# KiCad board q2v2.kicad_pcb
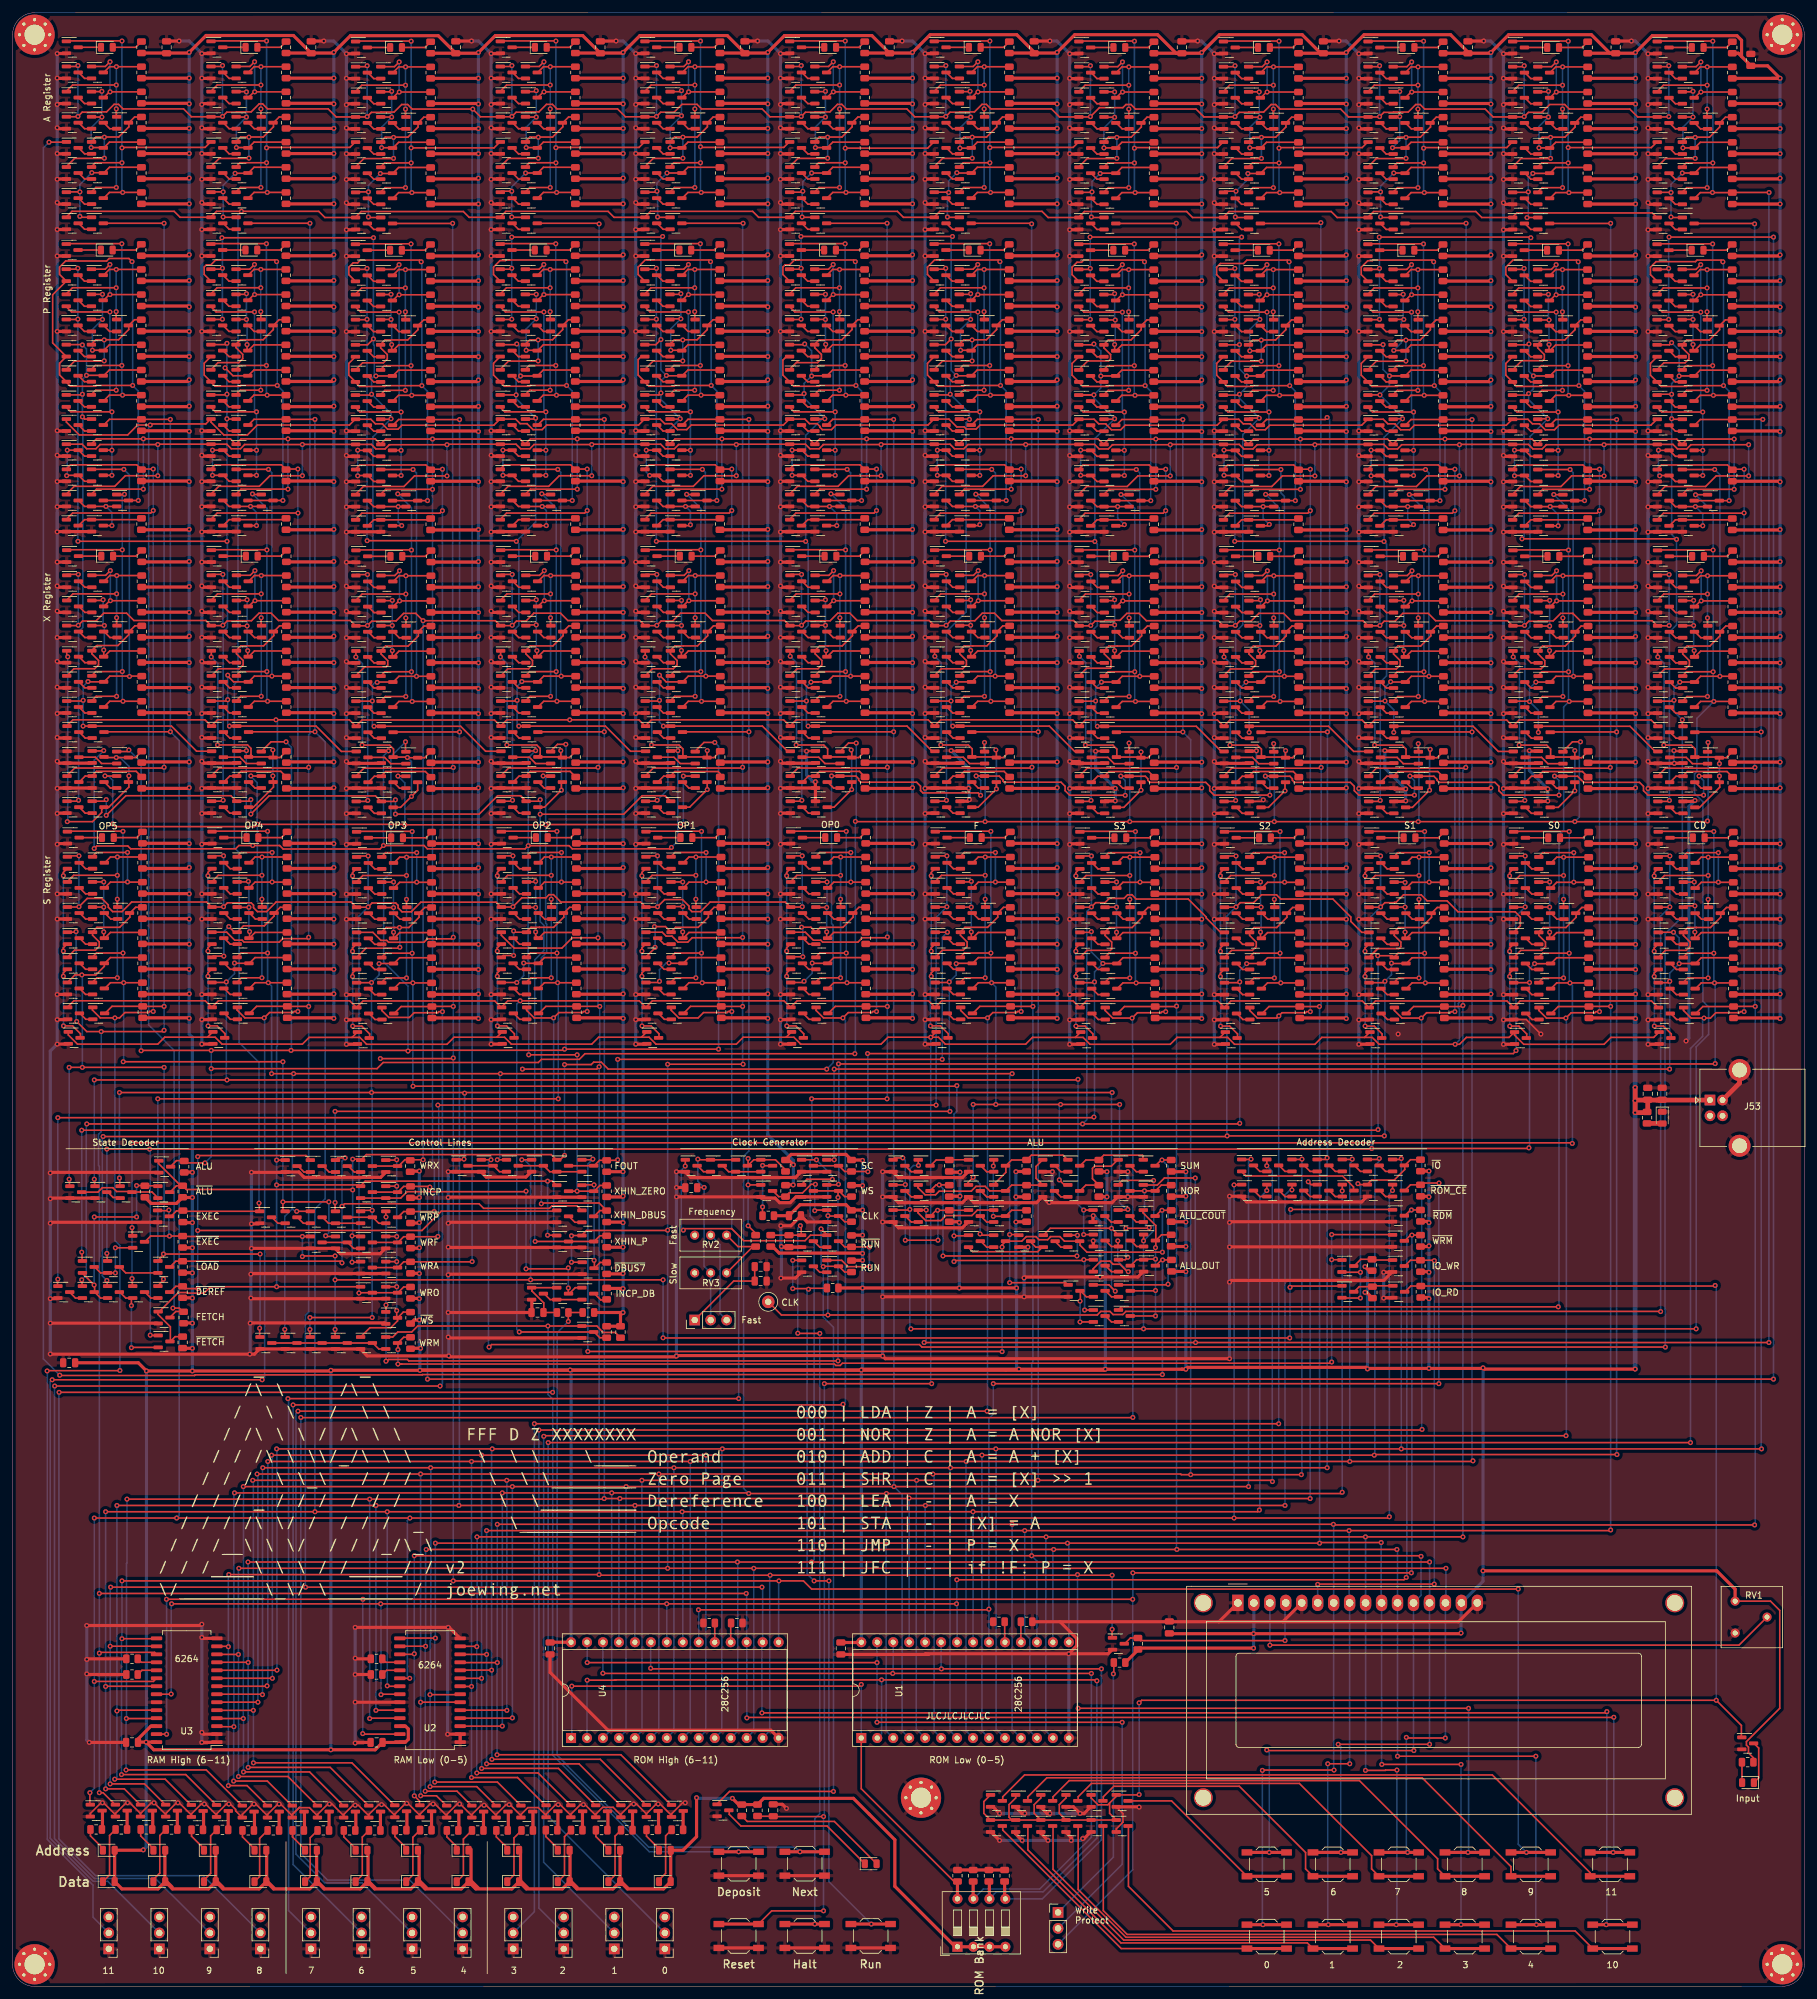
[diagram p0: board, top side]
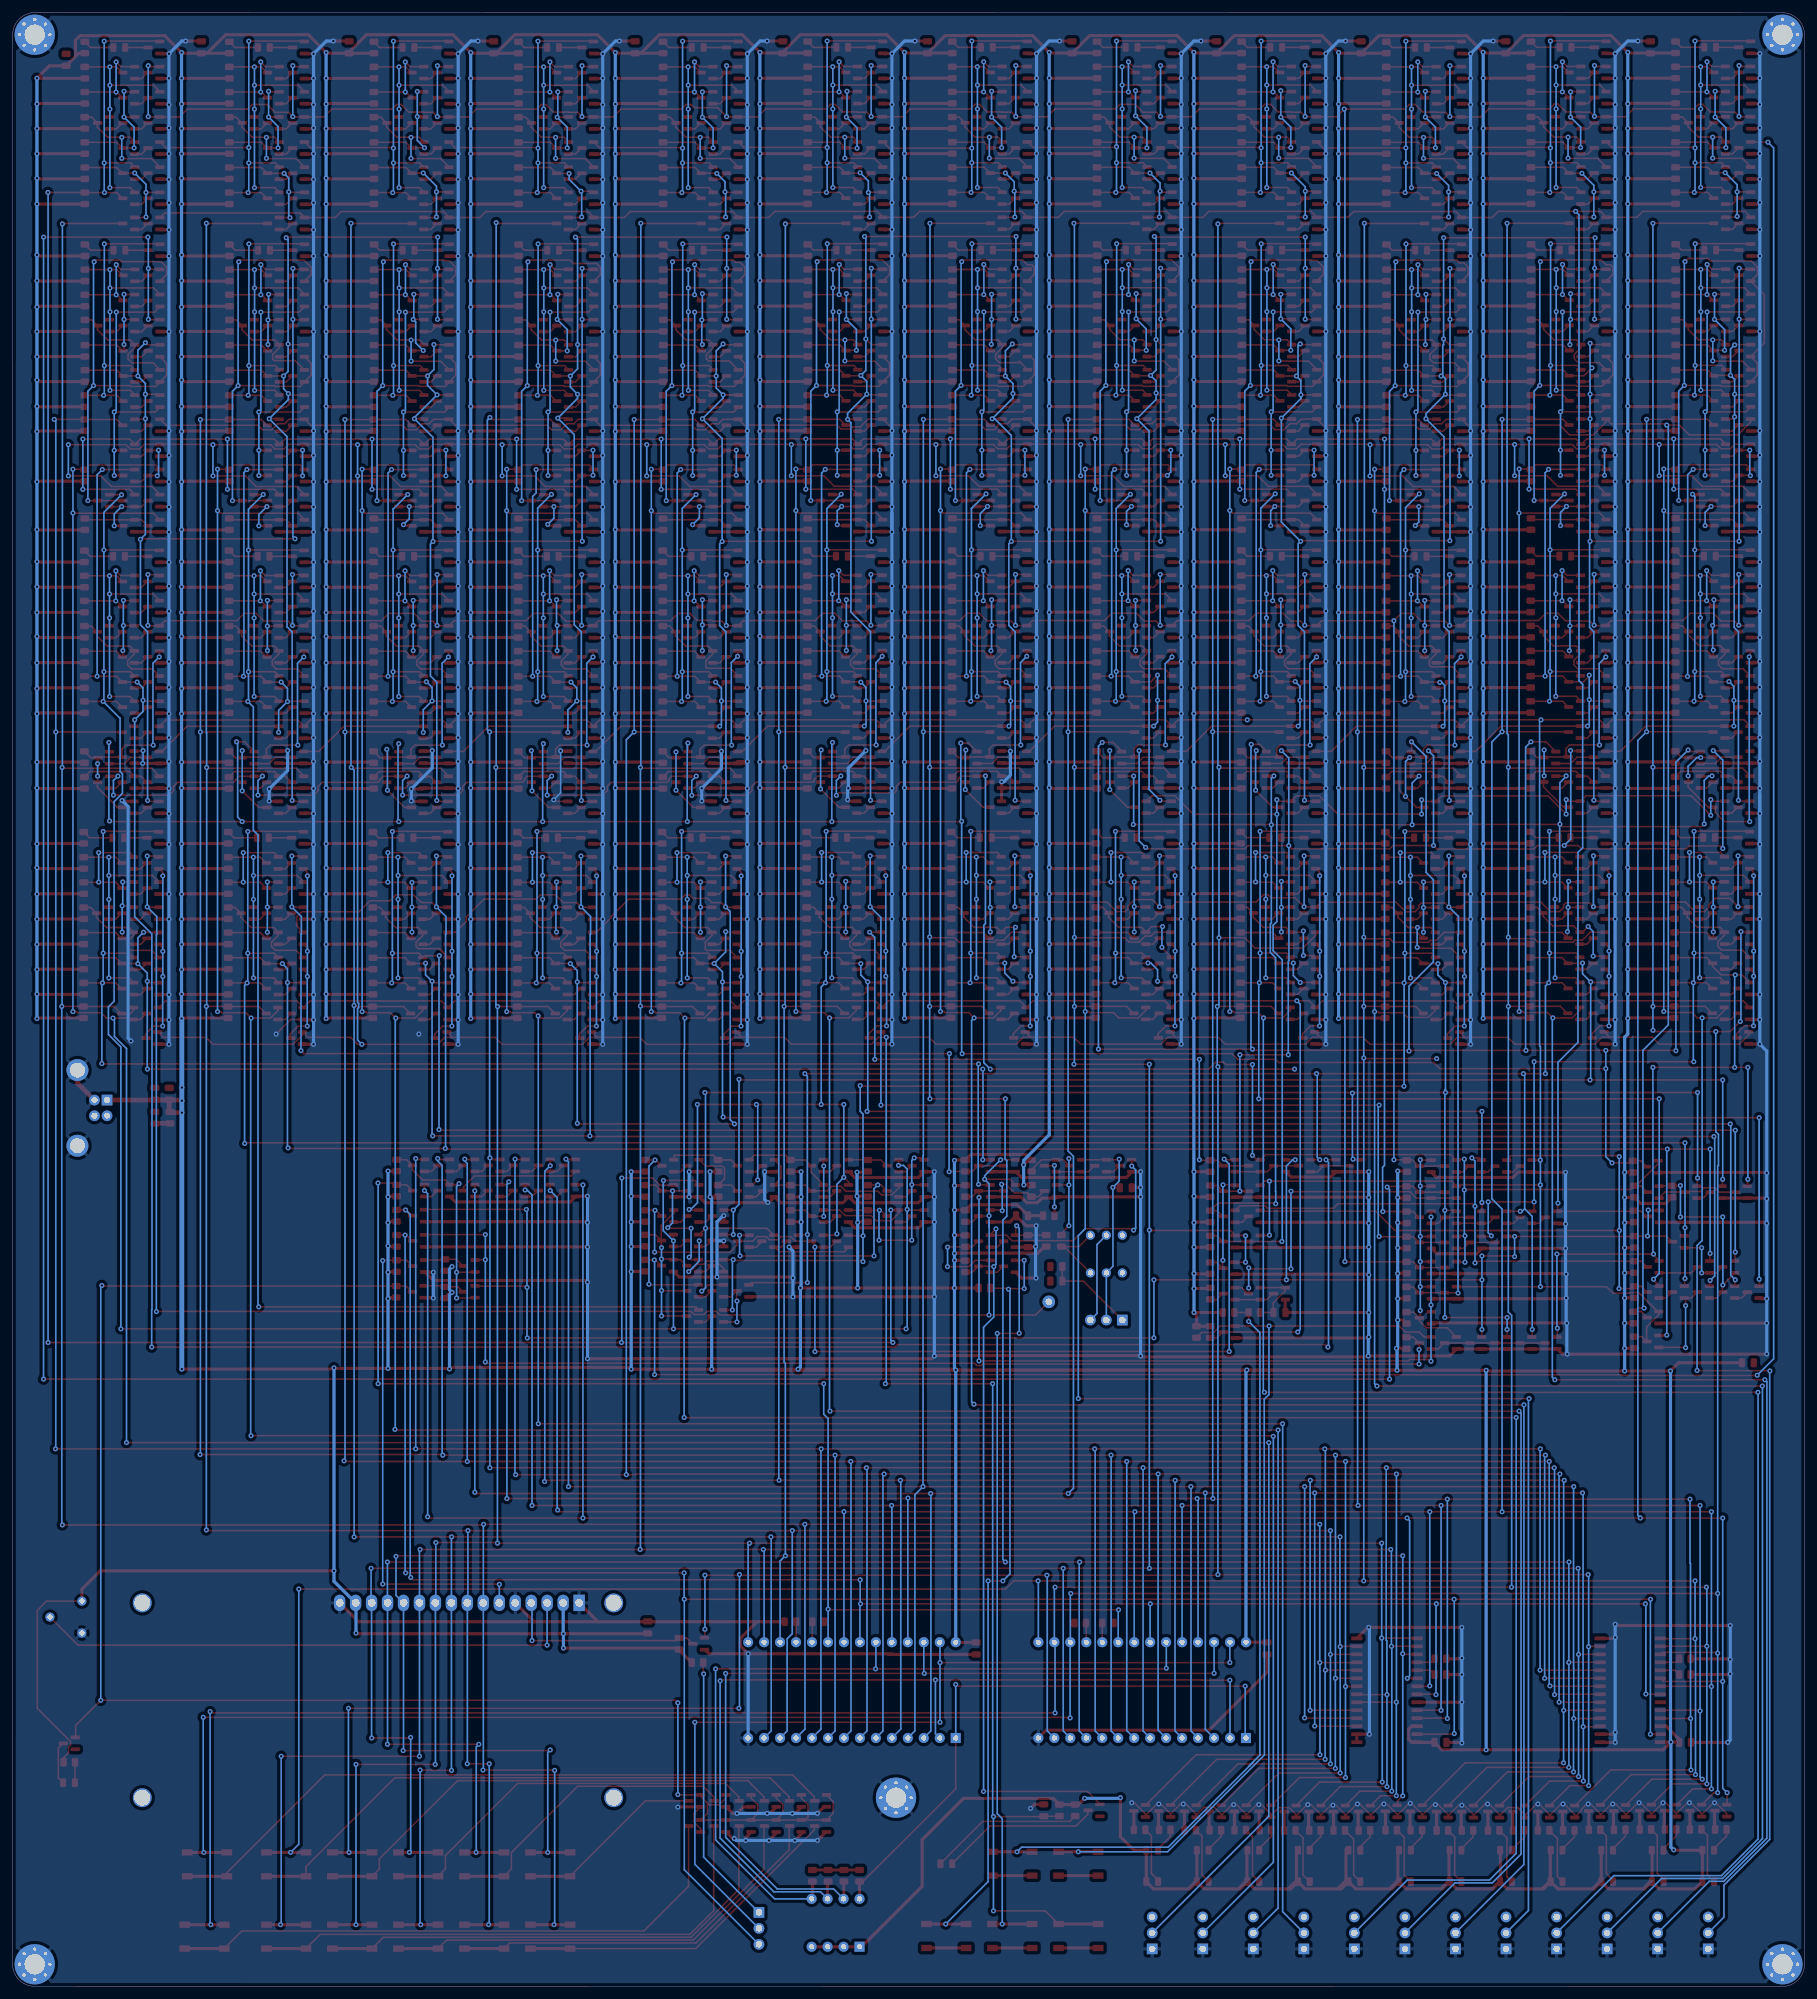
[diagram p1: board, bottom side, seen from below]

Outline 285.03 x 314.05 mm; copper layers: Top, Bottom. Coordinates in mm from the lower left corner of the outline.
Outline path: 0,310.53 0,3.5 arc(1.03,1.03) 3.5,0 281.53,0.03 arc(284,1.05) 285.03,3.53 285,310.55 arc(283.97,313.03) 281.5,314.05 3.5,314.03 arc(1.03,313) 0,310.53
Stack: Top 0.035mm / dielectric 1.51mm FR4 er 4.5 / Bottom 0.035mm

## Placement (name value [footprint] x y rotation side)
C1  0.1u  [C_0805_2012Metric]  24.5 308.53 90 top
C2  0.1u  [C_0805_2012Metric]  47.5 308.53 90 top
C3  0.1u  [C_0805_2012Metric]  124.45 122.63 180 top
C4  0.01u  [C_0805_2012Metric]  107.95 127.08 0 top
C5  0.1u  [C_0805_2012Metric]  123.5 118.58 90 top
C6  0.1u  [C_0805_2012Metric]  83.5 107.23 0 top
C7  0.1u  [C_0805_2012Metric]  70.5 308.53 90 top
C8  0.1u  [C_0805_2012Metric]  93.5 308.53 90 top
C9  0.1u  [C_0805_2012Metric]  116.5 308.53 90 top
C10  0.1u  [C_0805_2012Metric]  139.5 308.53 90 top
C11  0.1u  [C_0805_2012Metric]  162.5 308.53 90 top
C12  0.1u  [C_0805_2012Metric]  186 308.53 90 top
C13  0.1u  [C_0805_2012Metric]  208.5 308.53 90 top
C14  0.1u  [C_0805_2012Metric]  231.5 308.53 90 top
C15  0.1u  [C_0805_2012Metric]  255 308.53 90 top
C16  0.1u  [C_0805_2012Metric]  276.5 306.53 90 top
C17  0.47u  [C_0805_2012Metric]  262.4 142.03 90 top
C18  0.47u  [C_0805_2012Metric]  260.1 142.03 90 top
C19  0.1u  [C_0805_2012Metric]  19 38.83 0 top
C20  0.1u  [C_0805_2012Metric]  57.9 38.83 0 top
C21  0.1u  [C_0805_2012Metric]  85.5 53.78 90 top
C22  0.1u  [C_0805_2012Metric]  131.75 53.78 90 top
C23  0.1u  [C_0805_2012Metric]  121 28.03 270 top
C24  0.47u  [C_0805_2012Metric]  119 114.53 180 top
C25  0.47u  [C_0805_2012Metric]  184 57.13 90 top
C26  0.47u  [C_0805_2012Metric]  119 112.23 180 top
C27  0.47u  [C_0805_2012Metric]  9 99.23 180 top
D1  Blue  [LED_0805_2012Metric]  15 308.53 0 top
D2  Blue  [LED_0805_2012Metric]  15.05 227.57 0 top
D3  Blue  [LED_0805_2012Metric]  14.98 276.27 0 top
D4  Blue  [LED_0805_2012Metric]  15.16 182.79 0 top
D5  Blue  [LED_0805_2012Metric]  38 308.53 0 top
D6  Blue  [LED_0805_2012Metric]  38.05 227.57 0 top
D7  Blue  [LED_0805_2012Metric]  37.98 276.27 0 top
D8  Blue  [LED_0805_2012Metric]  38.16 182.79 0 top
D9  Blue  [LED_0805_2012Metric]  61 308.5 0 top
D10  Blue  [LED_0805_2012Metric]  61.05 227.54 0 top
D11  Blue  [LED_0805_2012Metric]  60.98 276.24 0 top
D12  Blue  [LED_0805_2012Metric]  61.16 182.76 0 top
D13  Blue  [LED_0805_2012Metric]  84.03 308.52 0 top
D14  Blue  [LED_0805_2012Metric]  84.07 227.56 0 top
D15  Blue  [LED_0805_2012Metric]  84 276.27 0 top
D16  Blue  [LED_0805_2012Metric]  84.19 182.78 0 top
D17  Blue  [LED_0805_2012Metric]  107.03 308.52 0 top
D18  Blue  [LED_0805_2012Metric]  107.07 227.56 0 top
D19  Blue  [LED_0805_2012Metric]  107 276.27 0 top
D20  Blue  [LED_0805_2012Metric]  107.19 182.78 0 top
D21  Blue  [LED_0805_2012Metric]  130.05 308.52 0 top
D22  Blue  [LED_0805_2012Metric]  130.1 227.56 0 top
D23  Blue  [LED_0805_2012Metric]  130.03 276.27 0 top
D24  Blue  [LED_0805_2012Metric]  130.21 182.78 0 top
D25  Blue  [LED_0805_2012Metric]  153.05 308.52 0 top
D26  Blue  [LED_0805_2012Metric]  153.1 227.56 0 top
D27  Blue  [LED_0805_2012Metric]  153.03 276.27 0 top
D28  Blue  [LED_0805_2012Metric]  153.21 182.78 0 top
D29  Blue  [LED_0805_2012Metric]  176.05 308.5 0 top
D30  Blue  [LED_0805_2012Metric]  176.1 227.54 0 top
D31  Blue  [LED_0805_2012Metric]  176.03 276.24 0 top
D32  Blue  [LED_0805_2012Metric]  176.21 182.76 0 top
D33  Blue  [LED_0805_2012Metric]  199.05 308.5 0 top
D34  Blue  [LED_0805_2012Metric]  199.1 227.54 0 top
D35  Blue  [LED_0805_2012Metric]  199.03 276.24 0 top
D36  Blue  [LED_0805_2012Metric]  199.21 182.76 0 top
D37  Blue  [LED_0805_2012Metric]  222.05 308.5 0 top
D38  Blue  [LED_0805_2012Metric]  222.1 227.54 0 top
D39  Blue  [LED_0805_2012Metric]  222.03 276.24 0 top
D40  Blue  [LED_0805_2012Metric]  222.21 182.76 0 top
D41  Blue  [LED_0805_2012Metric]  245.05 308.5 0 top
D42  Blue  [LED_0805_2012Metric]  245.1 227.54 0 top
D43  Blue  [LED_0805_2012Metric]  245.03 276.24 0 top
D44  Blue  [LED_0805_2012Metric]  245.21 182.76 0 top
D45  Blue  [LED_0805_2012Metric]  268.05 308.5 0 top
D46  Blue  [LED_0805_2012Metric]  268.1 227.54 0 top
D47  Blue  [LED_0805_2012Metric]  268.03 276.24 0 top
D48  Blue  [LED_0805_2012Metric]  268.21 182.76 0 top
D49  White  [LED_0805_2012Metric]  15.3 21.67 0 top
D50  White  [LED_0805_2012Metric]  15.3 16.67 0 top
D51  White  [LED_0805_2012Metric]  23.34 21.67 0 top
D52  White  [LED_0805_2012Metric]  23.34 16.67 0 top
D53  White  [LED_0805_2012Metric]  31.38 21.67 0 top
D54  White  [LED_0805_2012Metric]  31.38 16.67 0 top
D55  White  [LED_0805_2012Metric]  39.42 21.67 0 top
D56  White  [LED_0805_2012Metric]  39.42 16.67 0 top
D57  White  [LED_0805_2012Metric]  47.46 21.67 0 top
D58  White  [LED_0805_2012Metric]  47.46 16.67 0 top
D59  White  [LED_0805_2012Metric]  55.5 21.67 0 top
D60  White  [LED_0805_2012Metric]  55.5 16.67 0 top
D61  White  [LED_0805_2012Metric]  63.55 21.67 0 top
D62  White  [LED_0805_2012Metric]  63.55 16.67 0 top
D63  White  [LED_0805_2012Metric]  71.59 21.67 0 top
D64  White  [LED_0805_2012Metric]  71.59 16.67 0 top
D65  White  [LED_0805_2012Metric]  79.63 21.67 0 top
D66  White  [LED_0805_2012Metric]  79.63 16.67 0 top
D67  White  [LED_0805_2012Metric]  87.67 21.67 0 top
D68  White  [LED_0805_2012Metric]  87.67 16.67 0 top
D69  White  [LED_0805_2012Metric]  95.71 21.67 0 top
D70  White  [LED_0805_2012Metric]  95.71 16.67 0 top
D71  White  [LED_0805_2012Metric]  103.75 21.67 0 top
D72  White  [LED_0805_2012Metric]  103.75 16.67 0 top
D73  Blue  [LED_0805_2012Metric]  262.4 138.23 270 top
D74  Blue  [LED_0805_2012Metric]  276.05 32.43 180 top
D75  Blue  [LED_0805_2012Metric]  136.5 19.53 0 top
DS1  -  [WC1602A]  194.9 61.03 0 top
G***  LOGO  [logo]  98 79.53 0 top
H1  MountingHole_Pad  [MountingHole_3.2mm_M3_Pad_Via]  3.5 310.53 0 top
H2  MountingHole_Pad  [MountingHole_3.2mm_M3_Pad_Via]  3.5 3.53 0 top
H3  MountingHole_Pad  [MountingHole_3.2mm_M3_Pad_Via]  281.5 310.53 0 top
H4  MountingHole_Pad  [MountingHole_3.2mm_M3_Pad_Via]  281.5 3.53 0 top
H5  MountingHole_Pad  [MountingHole_3.2mm_M3_Pad_Via]  144.5 30.03 0 top
J53  USB_B  [USB_B_OST_USB-B1HSxx_Horizontal]  270 141.03 0 top
Q1  2N7002-2  [SOT-23]  9.8 150.93 0 top
Q2  2N7002-2  [SOT-23]  13.7 154.83 0 top
Q3  2N7002-2  [SOT-23]  9.7 154.83 0 top
Q4  2N7002-2  [SOT-23]  9.5 308.53 0 top
Q5  2N7002  [SOT-23]  13.5 280.53 0 top
Q6  2N7002  [SOT-23]  9.5 280.53 0 top
Q7  2N7002  [SOT-23]  13.5 284.53 0 top
Q8  2N7002  [SOT-23]  13.5 300.53 0 top
Q9  2N7002  [SOT-23]  9.5 284.53 0 top
Q10  2N7002  [SOT-23]  9.5 300.53 0 top
Q11  2N7002  [SOT-23]  13.5 288.53 0 top
Q12  2N7002  [SOT-23]  13.5 304.53 0 top
Q13  2N7002  [SOT-23]  9.5 288.53 0 top
Q14  2N7002  [SOT-23]  9.5 304.53 0 top
Q15  2N7002  [SOT-23]  17.5 296.53 0 top
Q16  2N7002  [SOT-23]  13.5 296.53 0 top
Q17  2N7002  [SOT-23]  9.5 296.53 0 top
Q18  2N7002  [SOT-23]  13.5 292.53 0 top
Q19  2N7002  [SOT-23]  9.5 292.53 0 top
Q20  2N7002-2  [SOT-23]  9.55 227.57 0 top
Q21  2N7002  [SOT-23]  17.5 191.63 0 top
Q22  2N7002  [SOT-23]  13.6 199.58 0 top
Q23  2N7002  [SOT-23]  13.6 187.63 0 top
Q24  2N7002  [SOT-23]  17.5 195.53 0 top
Q25  2N7002  [SOT-23]  13.6 195.63 0 top
Q26  2N7002  [SOT-23]  13.6 191.63 0 top
Q27  2N7002  [SOT-23]  9.6 199.58 0 top
Q28  2N7002  [SOT-23]  9.6 187.63 0 top
Q29  2N7002  [SOT-23]  9.6 195.58 0 top
Q30  2N7002  [SOT-23]  9.6 191.63 0 top
Q31  2N7002  [SOT-23]  13.55 203.57 0 top
Q32  2N7002  [SOT-23]  13.55 219.57 0 top
Q33  2N7002  [SOT-23]  9.55 203.57 0 top
Q34  2N7002  [SOT-23]  9.55 219.57 0 top
Q35  2N7002  [SOT-23]  13.55 207.57 0 top
Q36  2N7002  [SOT-23]  13.55 223.57 0 top
Q37  2N7002  [SOT-23]  9.55 207.57 0 top
Q38  2N7002  [SOT-23]  9.55 223.57 0 top
Q39  2N7002  [SOT-23]  17.55 215.57 0 top
Q40  2N7002  [SOT-23]  13.55 215.57 0 top
Q41  2N7002  [SOT-23]  9.55 215.57 0 top
Q42  2N7002  [SOT-23]  13.55 211.57 0 top
Q43  2N7002  [SOT-23]  9.55 211.57 0 top
Q44  2N7002-2  [SOT-23]  9.48 276.27 0 top
Q45  2N7002  [SOT-23]  13.5 248.43 0 top
Q46  2N7002  [SOT-23]  9.5 248.43 0 top
Q47  2N7002  [SOT-23]  13.5 244.43 0 top
Q48  2N7002  [SOT-23]  13.5 240.43 0 top
Q49  2N7002  [SOT-23]  13.5 236.43 0 top
Q50  2N7002  [SOT-23]  17.5 236.43 0 top
Q51  2N7002-2  [SOT-23]  9.5 244.43 0 top
Q52  2N7002-2  [SOT-23]  9.5 240.43 0 top
Q53  2N7002-2  [SOT-23]  9.5 236.43 0 top
Q54  2N7002  [SOT-23]  13.5 232.43 0 top
Q55  2N7002-2  [SOT-23]  9.5 232.43 0 top
Q56  2N7002  [SOT-23]  13.48 252.27 0 top
Q57  2N7002  [SOT-23]  13.48 268.27 0 top
Q58  2N7002  [SOT-23]  9.48 252.27 0 top
Q59  2N7002  [SOT-23]  9.48 268.27 0 top
Q60  2N7002  [SOT-23]  13.48 256.27 0 top
Q61  2N7002  [SOT-23]  13.48 272.27 0 top
Q62  2N7002  [SOT-23]  9.48 256.27 0 top
Q63  2N7002  [SOT-23]  9.48 272.27 0 top
Q64  2N7002  [SOT-23]  17.48 264.27 0 top
Q65  2N7002  [SOT-23]  13.48 264.27 0 top
Q66  2N7002  [SOT-23]  9.48 264.27 0 top
Q67  2N7002  [SOT-23]  13.48 260.27 0 top
Q68  2N7002  [SOT-23]  9.48 260.27 0 top
Q69  2N7002-2  [SOT-23]  9.66 182.79 0 top
Q70  2N7002-2  [SOT-23]  32.8 150.93 0 top
Q71  2N7002-2  [SOT-23]  55.8 150.9 0 top
Q72  2N7002  [SOT-23]  13.66 158.79 0 top
Q73  2N7002  [SOT-23]  13.66 174.79 0 top
Q74  2N7002  [SOT-23]  9.66 158.79 0 top
Q75  2N7002  [SOT-23]  9.66 174.79 0 top
Q76  2N7002  [SOT-23]  13.66 162.79 0 top
Q77  2N7002  [SOT-23]  13.66 178.79 0 top
Q78  2N7002  [SOT-23]  9.66 162.79 0 top
Q79  2N7002  [SOT-23]  9.66 178.79 0 top
Q80  2N7002  [SOT-23]  17.66 170.79 0 top
Q81  2N7002  [SOT-23]  13.66 170.79 0 top
Q82  2N7002  [SOT-23]  9.66 170.79 0 top
Q83  2N7002  [SOT-23]  13.66 166.79 0 top
Q84  2N7002  [SOT-23]  9.66 166.79 0 top
Q85  2N7002-2  [SOT-23]  36.7 154.83 0 top
Q86  2N7002-2  [SOT-23]  32.7 154.83 0 top
Q87  2N7002  [SOT-23]  36.5 280.53 0 top
Q88  2N7002  [SOT-23]  32.5 280.53 0 top
Q89  2N7002  [SOT-23]  36.5 284.53 0 top
Q90  2N7002  [SOT-23]  36.5 300.53 0 top
Q91  2N7002  [SOT-23]  32.5 284.53 0 top
Q92  2N7002  [SOT-23]  32.5 300.53 0 top
Q93  2N7002-2  [SOT-23]  32.5 308.53 0 top
Q94  2N7002  [SOT-23]  36.5 288.53 0 top
Q95  2N7002  [SOT-23]  36.5 304.53 0 top
Q96  2N7002  [SOT-23]  32.5 288.53 0 top
Q97  2N7002  [SOT-23]  32.5 304.53 0 top
Q98  2N7002  [SOT-23]  40.5 296.53 0 top
Q99  2N7002  [SOT-23]  36.5 296.53 0 top
Q100  2N7002  [SOT-23]  32.5 296.53 0 top
Q101  2N7002  [SOT-23]  36.5 292.53 0 top
Q102  2N7002  [SOT-23]  32.5 292.53 0 top
Q103  2N7002  [SOT-23]  40.5 191.63 0 top
Q104  2N7002  [SOT-23]  36.6 199.58 0 top
Q105  2N7002  [SOT-23]  36.6 187.63 0 top
Q106  2N7002  [SOT-23]  40.5 195.53 0 top
Q107  2N7002  [SOT-23]  36.6 195.63 0 top
Q108  2N7002  [SOT-23]  36.6 191.63 0 top
Q109  2N7002  [SOT-23]  32.6 199.58 0 top
Q110  2N7002  [SOT-23]  32.6 187.63 0 top
Q111  2N7002  [SOT-23]  32.6 195.58 0 top
Q112  2N7002  [SOT-23]  32.6 191.63 0 top
Q113  2N7002  [SOT-23]  36.55 203.57 0 top
Q114  2N7002  [SOT-23]  36.55 219.57 0 top
Q115  2N7002  [SOT-23]  32.55 203.57 0 top
Q116  2N7002  [SOT-23]  32.55 219.57 0 top
Q117  2N7002-2  [SOT-23]  32.55 227.57 0 top
Q118  2N7002  [SOT-23]  36.55 207.57 0 top
Q119  2N7002  [SOT-23]  36.55 223.57 0 top
Q120  2N7002  [SOT-23]  32.55 207.57 0 top
Q121  2N7002  [SOT-23]  32.55 223.57 0 top
Q122  2N7002  [SOT-23]  40.55 215.57 0 top
Q123  2N7002  [SOT-23]  36.55 215.57 0 top
Q124  2N7002  [SOT-23]  32.55 215.57 0 top
Q125  2N7002  [SOT-23]  36.55 211.57 0 top
Q126  2N7002  [SOT-23]  32.55 211.57 0 top
Q127  2N7002  [SOT-23]  36.5 248.43 0 top
Q128  2N7002  [SOT-23]  32.5 248.43 0 top
Q129  2N7002  [SOT-23]  36.5 244.43 0 top
Q130  2N7002  [SOT-23]  36.5 240.43 0 top
Q131  2N7002  [SOT-23]  36.5 236.43 0 top
Q132  2N7002  [SOT-23]  40.5 236.43 0 top
Q133  2N7002-2  [SOT-23]  32.5 244.43 0 top
Q134  2N7002-2  [SOT-23]  32.5 240.43 0 top
Q135  2N7002-2  [SOT-23]  32.5 236.43 0 top
Q136  2N7002  [SOT-23]  36.5 232.43 0 top
Q137  2N7002-2  [SOT-23]  32.5 232.43 0 top
Q138  2N7002  [SOT-23]  36.48 252.27 0 top
Q139  2N7002  [SOT-23]  36.48 268.27 0 top
Q140  2N7002  [SOT-23]  32.48 252.27 0 top
Q141  2N7002  [SOT-23]  32.48 268.27 0 top
Q142  2N7002-2  [SOT-23]  32.48 276.27 0 top
Q143  2N7002  [SOT-23]  36.48 256.27 0 top
Q144  2N7002  [SOT-23]  36.48 272.27 0 top
Q145  2N7002  [SOT-23]  32.48 256.27 0 top
Q146  2N7002  [SOT-23]  32.48 272.27 0 top
Q147  2N7002  [SOT-23]  40.48 264.27 0 top
Q148  2N7002  [SOT-23]  36.48 264.27 0 top
Q149  2N7002  [SOT-23]  32.48 264.27 0 top
Q150  2N7002  [SOT-23]  36.48 260.27 0 top
Q151  2N7002  [SOT-23]  32.48 260.27 0 top
Q152  2N7002-2  [SOT-23]  78.82 150.92 0 top
Q153  2N7002-2  [SOT-23]  101.82 150.92 0 top
Q154  2N7002  [SOT-23]  36.66 158.79 0 top
Q155  2N7002  [SOT-23]  36.66 174.79 0 top
Q156  2N7002  [SOT-23]  32.66 158.79 0 top
Q157  2N7002  [SOT-23]  32.66 174.79 0 top
Q158  2N7002-2  [SOT-23]  32.66 182.79 0 top
Q159  2N7002  [SOT-23]  36.66 162.79 0 top
Q160  2N7002  [SOT-23]  36.66 178.79 0 top
Q161  2N7002  [SOT-23]  32.66 162.79 0 top
Q162  2N7002  [SOT-23]  32.66 178.79 0 top
Q163  2N7002  [SOT-23]  40.66 170.79 0 top
Q164  2N7002  [SOT-23]  36.66 170.79 0 top
Q165  2N7002  [SOT-23]  32.66 170.79 0 top
Q166  2N7002  [SOT-23]  36.66 166.79 0 top
Q167  2N7002  [SOT-23]  32.66 166.79 0 top
Q168  2N7002  [SOT-23]  24.05 110.48 0 top
Q169  2N7002  [SOT-23]  24.05 114.48 0 top
Q170  2N7002  [SOT-23]  24.1 102.63 0 top
Q171  2N7002  [SOT-23]  20.05 110.48 0 top
Q172  2N7002  [SOT-23]  16.05 114.48 0 top
Q173  2N7002  [SOT-23]  20.05 118.48 0 top
Q174  2N7002  [SOT-23]  12.05 114.48 0 top
Q175  2N7002  [SOT-23]  16.05 110.48 0 top
Q176  2N7002  [SOT-23]  24.05 126.38 0 top
Q177  2N7002  [SOT-23]  24.2 130.43 0 top
Q178  2N7002  [SOT-23]  12.05 110.48 0 top
Q179  2N7002  [SOT-23]  18.05 126.38 0 top
Q180  2N7002  [SOT-23]  10.05 126.38 0 top
Q181  2N7002  [SOT-23]  8.15 110.48 0 top
Q182  2N7002  [SOT-23]  14.05 126.38 0 top
Q183  2N7002  [SOT-23]  24.1 106.43 0 top
Q184  2N7002  [SOT-23]  24 122.53 0 top
Q185  2N7002  [SOT-23]  56.3 110.38 0 top
Q186  2N7002  [SOT-23]  60.3 110.38 0 top
Q187  2N7002  [SOT-23]  87.5 126.53 0 top
Q188  2N7002  [SOT-23]  91.5 126.53 0 top
Q189  2N7002  [SOT-23]  91.5 122.53 0 top
Q190  2N7002  [SOT-23]  87.5 118.53 0 top
Q191  2N7002  [SOT-23]  91.5 118.53 0 top
Q192  2N7002  [SOT-23]  87.5 122.53 0 top
Q193  2N7002  [SOT-23]  56.3 114.38 0 top
Q194  2N7002  [SOT-23]  60.3 114.38 0 top
Q195  2N7002  [SOT-23]  56.3 126.38 0 top
Q196  2N7002  [SOT-23]  60.3 126.38 0 top
Q197  2N7002  [SOT-23]  91.55 114.28 0 top
Q198  2N7002  [SOT-23]  60.3 106.38 0 top
Q199  2N7002  [SOT-23]  56.3 118.38 0 top
Q200  2N7002  [SOT-23]  60.3 118.38 0 top
Q201  2N7002  [SOT-23]  56.3 130.53 0 top
Q202  2N7002  [SOT-23]  60.3 130.53 0 top
Q203  2N7002  [SOT-23]  60.3 122.38 0 top
Q204  2N7002  [SOT-23]  52.3 130.53 0 top
Q205  2N7002  [SOT-23]  48.3 118.38 0 top
Q206  2N7002  [SOT-23]  52.3 118.38 0 top
Q207  2N7002  [SOT-23]  48.3 130.53 0 top
Q208  2N7002  [SOT-23]  56.3 122.38 0 top
Q209  2N7002  [SOT-23]  52.3 122.38 0 top
Q210  2N7002  [SOT-23]  44.3 130.53 0 top
Q211  2N7002  [SOT-23]  48.3 122.38 0 top
Q212  2N7002  [SOT-23]  91.5 130.58 0 top
Q213  2N7002  [SOT-23]  87.5 130.58 0 top
Q214  2N7002  [SOT-23]  44.3 122.38 0 top
Q215  2N7002  [SOT-23]  40.25 122.38 0 top
Q216  2N7002  [SOT-23]  79.5 130.58 0 top
Q217  2N7002  [SOT-23]  83.5 130.58 0 top
Q218  2N7002  [SOT-23]  60.3 102.38 0 top
Q219  2N7002  [SOT-23]  71.5 130.58 0 top
Q220  2N7002  [SOT-23]  75.5 130.58 0 top
Q221  2N7002  [SOT-23]  40.3 102.38 0 top
Q222  2N7002  [SOT-23]  44.3 102.38 0 top
Q223  2N7002  [SOT-23]  48.3 102.38 0 top
Q224  2N7002  [SOT-23]  52.3 102.38 0 top
Q225  2N7002  [SOT-23]  56.3 102.38 0 top
Q226  2N7002  [SOT-23]  126.45 130.58 0 top
Q227  2N7002  [SOT-23]  130.45 130.58 0 top
Q228  2N7002  [SOT-23]  115.95 130.58 0 top
Q229  2N7002  [SOT-23]  119.95 130.58 0 top
Q230  2N7002  [SOT-23]  119.95 126.58 0 top
Q231  2N7002  [SOT-23]  130.45 122.58 0 top
Q232  2N7002  [SOT-23]  111.95 130.58 0 top
Q233  2N7002  [SOT-23]  126.45 126.58 0 top
Q234  2N7002  [SOT-23]  130.45 126.58 0 top
Q235  2N7002  [SOT-23]  107.95 130.58 0 top
Q236  2N7002  [SOT-23]  130.45 118.58 0 top
Q237  2N7002  [SOT-23]  130.45 114.58 0 top
Q238  2N7002  [SOT-23]  126.45 118.58 0 top
Q239  2N7002  [SOT-23]  126.45 114.58 0 top
Q240  2N7002  [SOT-23]  87.5 110.23 0 top
Q241  2N7002  [SOT-23]  91.5 110.23 0 top
Q242  2N7002  [SOT-23]  83.5 110.23 0 top
Q243  2N7002  [SOT-23]  157 122.58 0 top
Q244  2N7002  [SOT-23]  153 122.58 0 top
Q245  2N7002  [SOT-23]  145 122.58 0 top
Q246  2N7002  [SOT-23]  157 130.58 0 top
Q247  2N7002  [SOT-23]  141 122.58 0 top
Q248  2N7002  [SOT-23]  153 130.58 0 top
Q249  2N7002  [SOT-23]  220.5 110.53 0 top
Q250  2N7002  [SOT-23]  212.4 110.53 0 top
Q251  2N7002  [SOT-23]  145 130.58 0 top
Q252  2N7002  [SOT-23]  141 130.58 0 top
Q253  2N7002  [SOT-23]  168.8 130.58 0 top
Q254  2N7002  [SOT-23]  145 126.58 0 top
Q255  2N7002  [SOT-23]  164.8 130.58 0 top
Q256  2N7002  [SOT-23]  157 126.58 0 top
Q257  2N7002  [SOT-23]  180.8 130.58 0 top
Q258  2N7002  [SOT-23]  141 126.58 0 top
Q259  2N7002  [SOT-23]  153 126.58 0 top
Q260  2N7002  [SOT-23]  176.8 130.58 0 top
Q261  2N7002  [SOT-23]  180.85 114.68 0 top
Q262  2N7002  [SOT-23]  168.8 126.58 0 top
Q263  2N7002  [SOT-23]  180.8 122.58 0 top
Q264  2N7002  [SOT-23]  168.8 118.58 0 top
Q265  2N7002  [SOT-23]  157 118.58 0 top
Q266  2N7002  [SOT-23]  164.8 126.58 0 top
Q267  2N7002  [SOT-23]  176.8 122.58 0 top
Q268  2N7002  [SOT-23]  164.9 118.58 0 top
Q269  2N7002  [SOT-23]  153 118.58 0 top
Q270  2N7002  [SOT-23]  180.85 118.68 0 top
Q271  2N7002  [SOT-23]  176.85 114.68 0 top
Q272  2N7002  [SOT-23]  176.85 110.68 0 top
Q273  2N7002  [SOT-23]  176.85 106.68 0 top
Q274  2N7002  [SOT-23]  172.8 122.58 0 top
Q275  2N7002  [SOT-23]  176.85 118.68 0 top
Q276  2N7002  [SOT-23]  172.85 114.68 0 top
Q277  2N7002  [SOT-23]  172.85 110.68 0 top